# KiCad board v1.kicad_pcb
title: Matrix Board 0; date: 2024-10-04; rev: 0; company: Psycho Duck
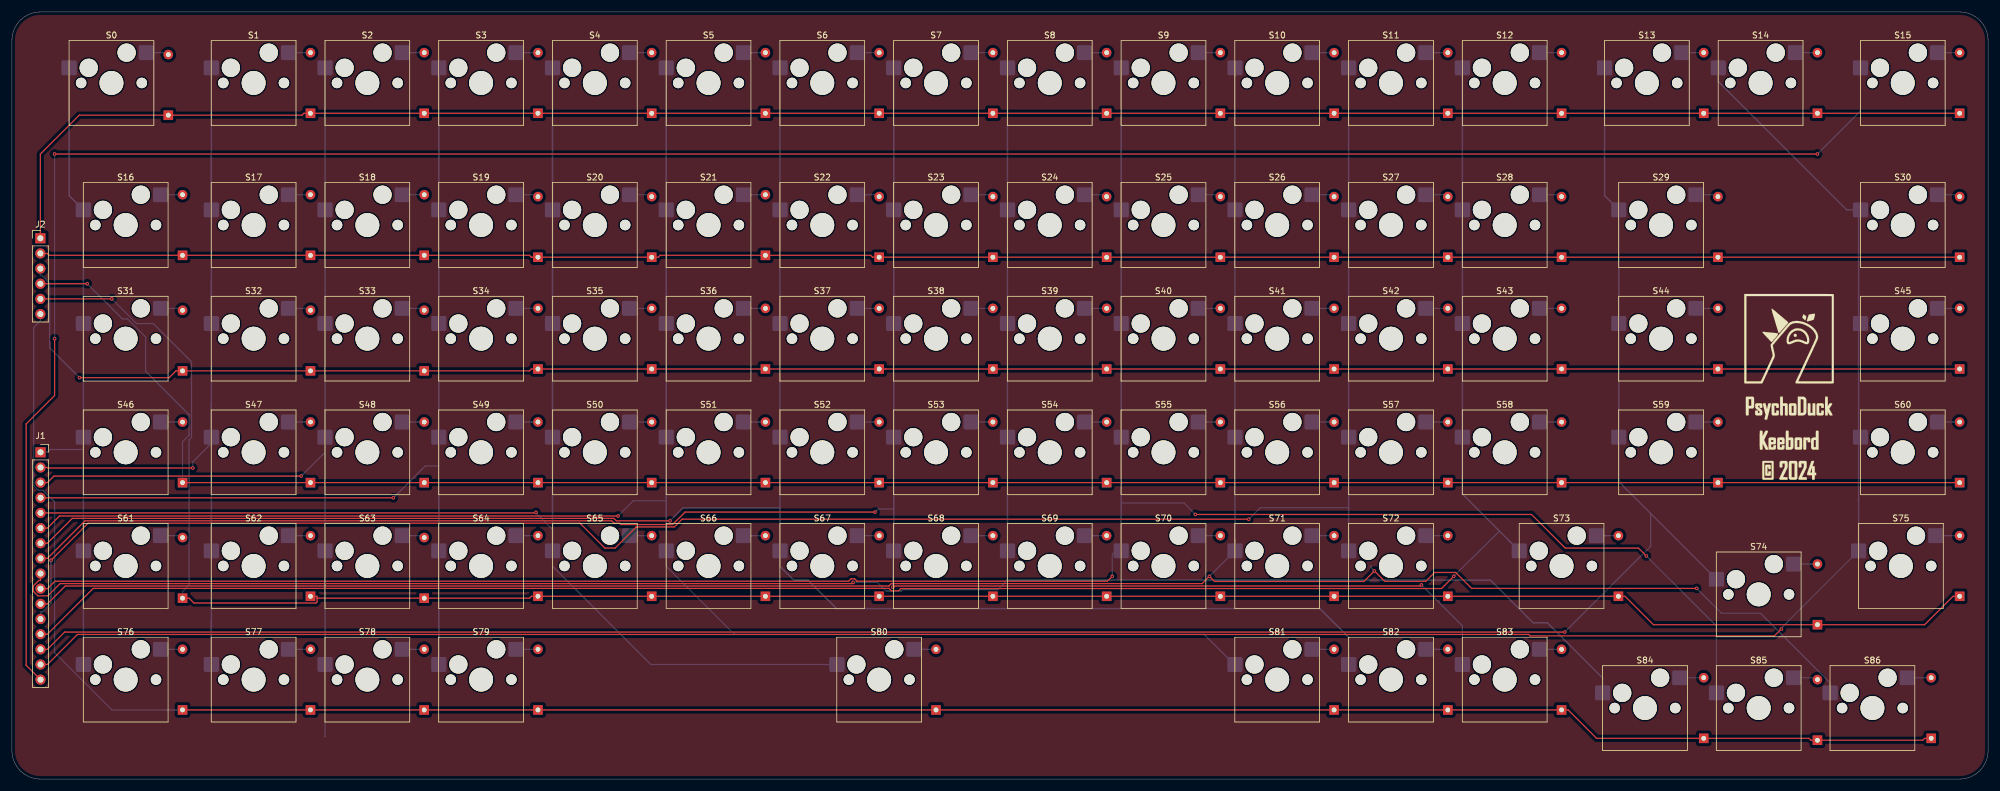
[diagram p0: board, top side]
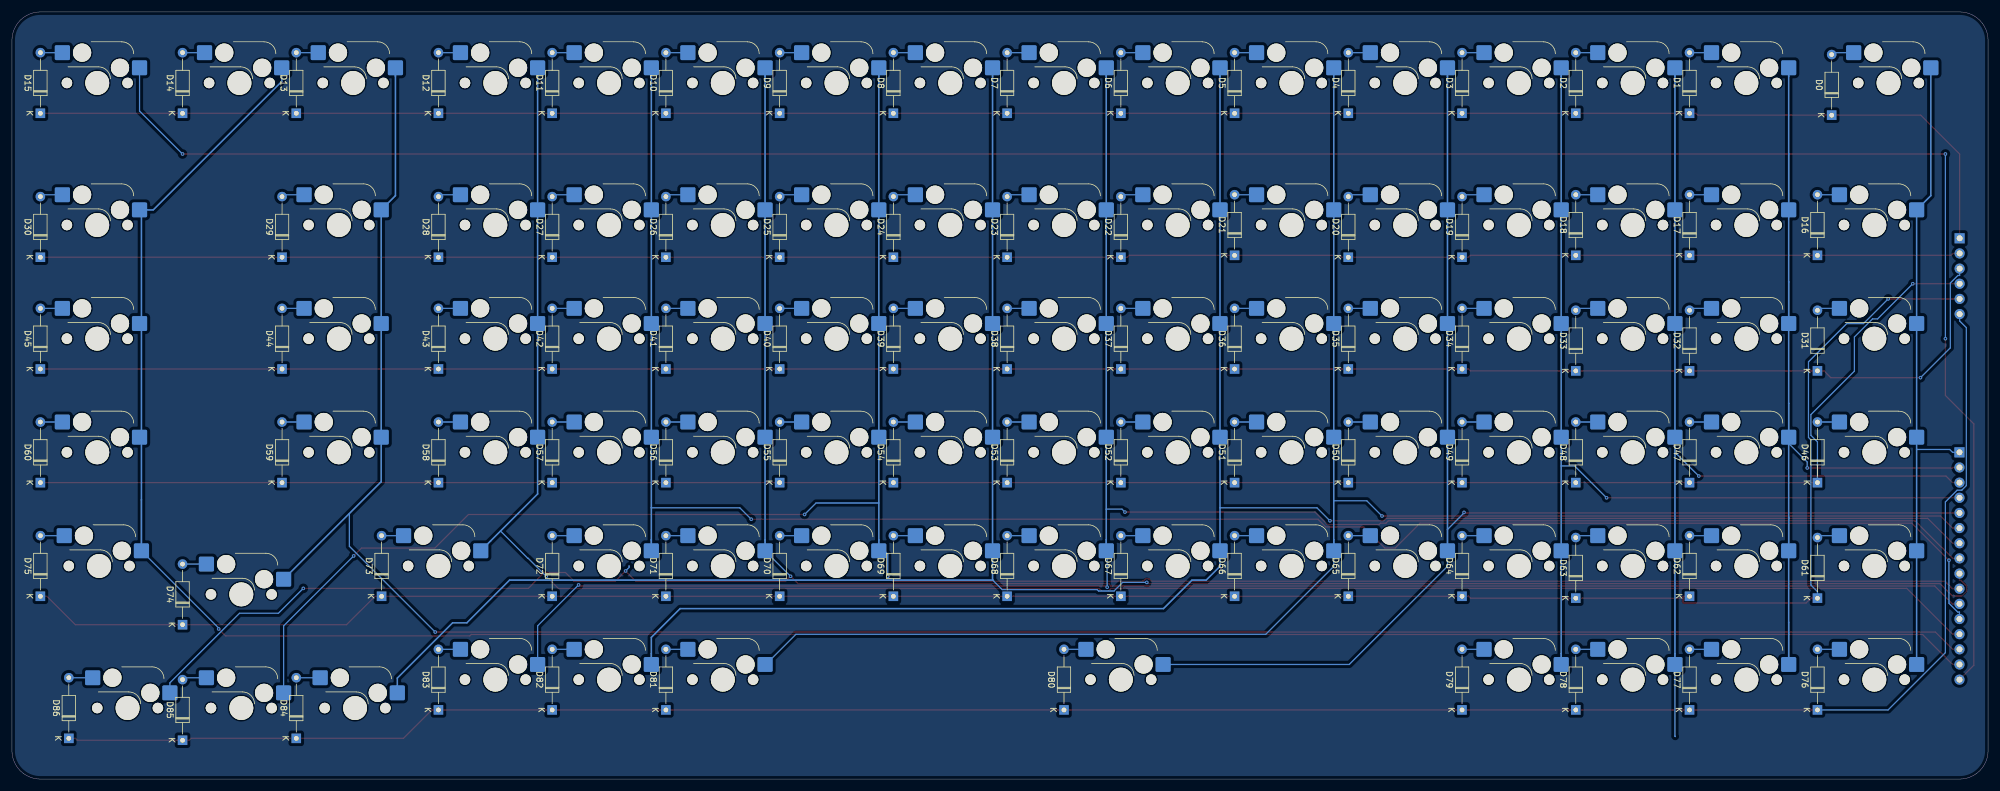
[diagram p1: board, bottom side, seen from below]

Outline 330.99 x 128.59 mm; copper layers: Top, Bottom. Coordinates in mm from the lower left corner of the outline.
Outline path: 0,123.83 0,4.76 arc(1.39,1.39) 4.76,0 326.23,0 arc(329.6,1.39) 330.99,4.76 330.99,123.83 arc(329.6,127.19) 326.23,128.59 4.76,128.59 arc(1.39,127.19) 0,123.83

## Placement (name value [footprint] x y rotation side)
D0  Diode  [D_DO-35_SOD27_P10.16mm_Horizontal]  26.19 111.28 90 bottom
D1  Diode  [D_DO-35_SOD27_P10.16mm_Horizontal]  50.01 111.6 90 bottom
D2  Diode  [D_DO-35_SOD27_P10.16mm_Horizontal]  69.06 111.6 90 bottom
D3  Diode  [D_DO-35_SOD27_P10.16mm_Horizontal]  88.11 111.6 90 bottom
D4  Diode  [D_DO-35_SOD27_P10.16mm_Horizontal]  107.16 111.6 90 bottom
D5  Diode  [D_DO-35_SOD27_P10.16mm_Horizontal]  126.21 111.6 90 bottom
D6  Diode  [D_DO-35_SOD27_P10.16mm_Horizontal]  145.26 111.6 90 bottom
D7  Diode  [D_DO-35_SOD27_P10.16mm_Horizontal]  164.31 111.6 90 bottom
D8  Diode  [D_DO-35_SOD27_P10.16mm_Horizontal]  183.36 111.6 90 bottom
D9  Diode  [D_DO-35_SOD27_P10.16mm_Horizontal]  202.41 111.6 90 bottom
D10  Diode  [D_DO-35_SOD27_P10.16mm_Horizontal]  221.46 111.6 90 bottom
D11  Diode  [D_DO-35_SOD27_P10.16mm_Horizontal]  240.51 111.6 90 bottom
D12  Diode  [D_DO-35_SOD27_P10.16mm_Horizontal]  259.56 111.6 90 bottom
D13  Diode  [D_DO-35_SOD27_P10.16mm_Horizontal]  283.37 111.6 90 bottom
D14  Diode  [D_DO-35_SOD27_P10.16mm_Horizontal]  302.42 111.6 90 bottom
D15  Diode  [D_DO-35_SOD27_P10.16mm_Horizontal]  326.23 111.6 90 bottom
D16  Diode  [D_DO-35_SOD27_P10.16mm_Horizontal]  28.58 87.79 90 bottom
D17  Diode  [D_DO-35_SOD27_P10.16mm_Horizontal]  50.01 87.79 90 bottom
D18  Diode  [D_DO-35_SOD27_P10.16mm_Horizontal]  69.06 87.79 90 bottom
D19  Diode  [D_DO-35_SOD27_P10.16mm_Horizontal]  88.11 87.47 90 bottom
D20  Diode  [D_DO-35_SOD27_P10.16mm_Horizontal]  107.16 87.47 90 bottom
D21  Diode  [D_DO-35_SOD27_P10.16mm_Horizontal]  126.21 87.79 90 bottom
D22  Diode  [D_DO-35_SOD27_P10.16mm_Horizontal]  145.26 87.47 90 bottom
D23  Diode  [D_DO-35_SOD27_P10.16mm_Horizontal]  164.31 87.47 90 bottom
D24  Diode  [D_DO-35_SOD27_P10.16mm_Horizontal]  183.36 87.47 90 bottom
D25  Diode  [D_DO-35_SOD27_P10.16mm_Horizontal]  202.41 87.47 90 bottom
D26  Diode  [D_DO-35_SOD27_P10.16mm_Horizontal]  221.46 87.47 90 bottom
D27  Diode  [D_DO-35_SOD27_P10.16mm_Horizontal]  240.51 87.47 90 bottom
D28  Diode  [D_DO-35_SOD27_P10.16mm_Horizontal]  259.56 87.47 90 bottom
D29  Diode  [D_DO-35_SOD27_P10.16mm_Horizontal]  285.75 87.47 90 bottom
D30  Diode  [D_DO-35_SOD27_P10.16mm_Horizontal]  326.23 87.47 90 bottom
D31  Diode  [D_DO-35_SOD27_P10.16mm_Horizontal]  28.58 68.42 90 bottom
D32  Diode  [D_DO-35_SOD27_P10.16mm_Horizontal]  50.01 68.42 90 bottom
D33  Diode  [D_DO-35_SOD27_P10.16mm_Horizontal]  69.06 68.42 90 bottom
D34  Diode  [D_DO-35_SOD27_P10.16mm_Horizontal]  88.11 68.74 90 bottom
D35  Diode  [D_DO-35_SOD27_P10.16mm_Horizontal]  107.16 68.74 90 bottom
D36  Diode  [D_DO-35_SOD27_P10.16mm_Horizontal]  126.21 68.74 90 bottom
D37  Diode  [D_DO-35_SOD27_P10.16mm_Horizontal]  145.26 68.74 90 bottom
D38  Diode  [D_DO-35_SOD27_P10.16mm_Horizontal]  164.31 68.74 90 bottom
D39  Diode  [D_DO-35_SOD27_P10.16mm_Horizontal]  183.36 68.74 90 bottom
D40  Diode  [D_DO-35_SOD27_P10.16mm_Horizontal]  202.41 68.74 90 bottom
D41  Diode  [D_DO-35_SOD27_P10.16mm_Horizontal]  221.46 68.74 90 bottom
D42  Diode  [D_DO-35_SOD27_P10.16mm_Horizontal]  240.51 68.74 90 bottom
D43  Diode  [D_DO-35_SOD27_P10.16mm_Horizontal]  259.56 68.74 90 bottom
D44  Diode  [D_DO-35_SOD27_P10.16mm_Horizontal]  285.75 68.74 90 bottom
D45  Diode  [D_DO-35_SOD27_P10.16mm_Horizontal]  326.23 68.74 90 bottom
D46  Diode  [D_DO-35_SOD27_P10.16mm_Horizontal]  28.58 49.69 90 bottom
D47  Diode  [D_DO-35_SOD27_P10.16mm_Horizontal]  50.01 49.69 90 bottom
D48  Diode  [D_DO-35_SOD27_P10.16mm_Horizontal]  69.06 49.69 90 bottom
D49  Diode  [D_DO-35_SOD27_P10.16mm_Horizontal]  88.11 49.69 90 bottom
D50  Diode  [D_DO-35_SOD27_P10.16mm_Horizontal]  107.16 49.69 90 bottom
D51  Diode  [D_DO-35_SOD27_P10.16mm_Horizontal]  126.21 49.69 90 bottom
D52  Diode  [D_DO-35_SOD27_P10.16mm_Horizontal]  145.26 49.69 90 bottom
D53  Diode  [D_DO-35_SOD27_P10.16mm_Horizontal]  164.31 49.69 90 bottom
D54  Diode  [D_DO-35_SOD27_P10.16mm_Horizontal]  183.36 49.69 90 bottom
D55  Diode  [D_DO-35_SOD27_P10.16mm_Horizontal]  202.41 49.69 90 bottom
D56  Diode  [D_DO-35_SOD27_P10.16mm_Horizontal]  221.46 49.69 90 bottom
D57  Diode  [D_DO-35_SOD27_P10.16mm_Horizontal]  240.51 49.69 90 bottom
D58  Diode  [D_DO-35_SOD27_P10.16mm_Horizontal]  259.56 49.69 90 bottom
D59  Diode  [D_DO-35_SOD27_P10.16mm_Horizontal]  285.75 49.69 90 bottom
D60  Diode  [D_DO-35_SOD27_P10.16mm_Horizontal]  326.23 49.69 90 bottom
D61  Diode  [D_DO-35_SOD27_P10.16mm_Horizontal]  28.58 30.32 90 bottom
D62  Diode  [D_DO-35_SOD27_P10.16mm_Horizontal]  50.01 30.64 90 bottom
D63  Diode  [D_DO-35_SOD27_P10.16mm_Horizontal]  69.06 30.32 90 bottom
D64  Diode  [D_DO-35_SOD27_P10.16mm_Horizontal]  88.11 30.64 90 bottom
D65  Diode  [D_DO-35_SOD27_P10.16mm_Horizontal]  107.16 30.64 90 bottom
D66  Diode  [D_DO-35_SOD27_P10.16mm_Horizontal]  126.21 30.64 90 bottom
D67  Diode  [D_DO-35_SOD27_P10.16mm_Horizontal]  145.26 30.64 90 bottom
D68  Diode  [D_DO-35_SOD27_P10.16mm_Horizontal]  164.31 30.64 90 bottom
D69  Diode  [D_DO-35_SOD27_P10.16mm_Horizontal]  183.36 30.64 90 bottom
D70  Diode  [D_DO-35_SOD27_P10.16mm_Horizontal]  202.41 30.64 90 bottom
D71  Diode  [D_DO-35_SOD27_P10.16mm_Horizontal]  221.46 30.64 90 bottom
D72  Diode  [D_DO-35_SOD27_P10.16mm_Horizontal]  240.51 30.64 90 bottom
D73  Diode  [D_DO-35_SOD27_P10.16mm_Horizontal]  269.08 30.64 90 bottom
D74  Diode  [D_DO-35_SOD27_P10.16mm_Horizontal]  302.42 25.88 90 bottom
D75  Diode  [D_DO-35_SOD27_P10.16mm_Horizontal]  326.23 30.64 90 bottom
D76  Diode  [D_DO-35_SOD27_P10.16mm_Horizontal]  28.58 11.59 90 bottom
D77  Diode  [D_DO-35_SOD27_P10.16mm_Horizontal]  50.01 11.59 90 bottom
D78  Diode  [D_DO-35_SOD27_P10.16mm_Horizontal]  69.06 11.59 90 bottom
D79  Diode  [D_DO-35_SOD27_P10.16mm_Horizontal]  88.11 11.59 90 bottom
D80  Diode  [D_DO-35_SOD27_P10.16mm_Horizontal]  154.78 11.59 90 bottom
D81  Diode  [D_DO-35_SOD27_P10.16mm_Horizontal]  221.46 11.59 90 bottom
D82  Diode  [D_DO-35_SOD27_P10.16mm_Horizontal]  240.51 11.59 90 bottom
D83  Diode  [D_DO-35_SOD27_P10.16mm_Horizontal]  259.56 11.59 90 bottom
D84  Diode  [D_DO-35_SOD27_P10.16mm_Horizontal]  283.37 6.83 90 bottom
D85  Diode  [D_DO-35_SOD27_P10.16mm_Horizontal]  302.42 6.51 90 bottom
D86  Diode  [D_DO-35_SOD27_P10.16mm_Horizontal]  321.47 6.83 90 bottom
J1  Conn_01x16  [PinSocket_1x16_P2.54mm_Vertical]  4.79 54.77 0 top
J2  Conn_01x06  [PinHeader_1x06_P2.54mm_Vertical]  4.76 90.65 0 top
Ref**  Val**  [LOGO]  297.66 73.82 0 top
Ref**#2  Val**  [TEXT]  297.66 57.15 0 top
S0  Keyswitch  [Hotswap_MX_1.00u]  16.67 116.68 0 top
S1  Keyswitch  [Hotswap_MX_1.00u]  40.48 116.68 0 top
S2  Keyswitch  [Hotswap_MX_1.00u]  59.53 116.68 0 top
S3  Keyswitch  [Hotswap_MX_1.00u]  78.58 116.68 0 top
S4  Keyswitch  [Hotswap_MX_1.00u]  97.63 116.68 0 top
S5  Keyswitch  [Hotswap_MX_1.00u]  116.68 116.68 0 top
S6  Keyswitch  [Hotswap_MX_1.00u]  135.73 116.68 0 top
S7  Keyswitch  [Hotswap_MX_1.00u]  154.78 116.68 0 top
S8  Keyswitch  [Hotswap_MX_1.00u]  173.83 116.68 0 top
S9  Keyswitch  [Hotswap_MX_1.00u]  192.88 116.68 0 top
S10  Keyswitch  [Hotswap_MX_1.00u]  211.93 116.68 0 top
S11  Keyswitch  [Hotswap_MX_1.00u]  230.98 116.68 0 top
S12  Keyswitch  [Hotswap_MX_1.00u]  250.03 116.68 0 top
S13  Keyswitch  [Hotswap_MX_1.00u]  273.84 116.68 0 top
S14  Keyswitch  [Hotswap_MX_1.00u]  292.89 116.68 0 top
S15  Keyswitch  [Hotswap_MX_1.00u]  316.71 116.68 0 top
S16  Keyswitch  [Hotswap_MX_1.00u]  19.05 92.87 0 top
S17  Keyswitch  [Hotswap_MX_1.00u]  40.48 92.87 0 top
S18  Keyswitch  [Hotswap_MX_1.00u]  59.53 92.87 0 top
S19  Keyswitch  [Hotswap_MX_1.00u]  78.58 92.87 0 top
S20  Keyswitch  [Hotswap_MX_1.00u]  97.63 92.87 0 top
S21  Keyswitch  [Hotswap_MX_1.00u]  116.68 92.87 0 top
S22  Keyswitch  [Hotswap_MX_1.00u]  135.73 92.87 0 top
S23  Keyswitch  [Hotswap_MX_1.00u]  154.78 92.87 0 top
S24  Keyswitch  [Hotswap_MX_1.00u]  173.83 92.87 0 top
S25  Keyswitch  [Hotswap_MX_1.00u]  192.88 92.87 0 top
S26  Keyswitch  [Hotswap_MX_1.00u]  211.93 92.87 0 top
S27  Keyswitch  [Hotswap_MX_1.00u]  230.98 92.87 0 top
S28  Keyswitch  [Hotswap_MX_1.00u]  250.03 92.87 0 top
S29  Keyswitch  [Hotswap_MX_1.00u]  276.23 92.87 0 top
S30  Keyswitch  [Hotswap_MX_1.00u]  316.71 92.87 0 top
S31  Keyswitch  [Hotswap_MX_1.00u]  19.05 73.82 0 top
S32  Keyswitch  [Hotswap_MX_1.00u]  40.48 73.82 0 top
S33  Keyswitch  [Hotswap_MX_1.00u]  59.53 73.82 0 top
S34  Keyswitch  [Hotswap_MX_1.00u]  78.58 73.82 0 top
S35  Keyswitch  [Hotswap_MX_1.00u]  97.63 73.82 0 top
S36  Keyswitch  [Hotswap_MX_1.00u]  116.68 73.82 0 top
S37  Keyswitch  [Hotswap_MX_1.00u]  135.73 73.82 0 top
S38  Keyswitch  [Hotswap_MX_1.00u]  154.78 73.82 0 top
S39  Keyswitch  [Hotswap_MX_1.00u]  173.83 73.82 0 top
S40  Keyswitch  [Hotswap_MX_1.00u]  192.88 73.82 0 top
S41  Keyswitch  [Hotswap_MX_1.00u]  211.93 73.82 0 top
S42  Keyswitch  [Hotswap_MX_1.00u]  230.98 73.82 0 top
S43  Keyswitch  [Hotswap_MX_1.00u]  250.03 73.82 0 top
S44  Keyswitch  [Hotswap_MX_1.00u]  276.23 73.82 0 top
S45  Keyswitch  [Hotswap_MX_1.00u]  316.71 73.82 0 top
S46  Keyswitch  [Hotswap_MX_1.00u]  19.05 54.77 0 top
S47  Keyswitch  [Hotswap_MX_1.00u]  40.48 54.77 0 top
S48  Keyswitch  [Hotswap_MX_1.00u]  59.53 54.77 0 top
S49  Keyswitch  [Hotswap_MX_1.00u]  78.58 54.77 0 top
S50  Keyswitch  [Hotswap_MX_1.00u]  97.63 54.77 0 top
S51  Keyswitch  [Hotswap_MX_1.00u]  116.68 54.77 0 top
S52  Keyswitch  [Hotswap_MX_1.00u]  135.73 54.77 0 top
S53  Keyswitch  [Hotswap_MX_1.00u]  154.78 54.77 0 top
S54  Keyswitch  [Hotswap_MX_1.00u]  173.83 54.77 0 top
S55  Keyswitch  [Hotswap_MX_1.00u]  192.88 54.77 0 top
S56  Keyswitch  [Hotswap_MX_1.00u]  211.93 54.77 0 top
S57  Keyswitch  [Hotswap_MX_1.00u]  230.98 54.77 0 top
S58  Keyswitch  [Hotswap_MX_1.00u]  250.03 54.77 0 top
S59  Keyswitch  [Hotswap_MX_1.00u]  276.23 54.77 0 top
S60  Keyswitch  [Hotswap_MX_1.00u]  316.71 54.77 0 top
S61  Keyswitch  [Hotswap_MX_1.00u]  19.05 35.72 0 top
S62  Keyswitch  [Hotswap_MX_1.00u]  40.48 35.72 0 top
S63  Keyswitch  [Hotswap_MX_1.00u]  59.53 35.72 0 top
S64  Keyswitch  [Hotswap_MX_1.00u]  78.58 35.72 0 top
S65  Keyswitch  [Hotswap_MX_1.00u]  97.63 35.72 0 top
S66  Keyswitch  [Hotswap_MX_1.00u]  116.68 35.72 0 top
S67  Keyswitch  [Hotswap_MX_1.00u]  135.73 35.72 0 top
S68  Keyswitch  [Hotswap_MX_1.00u]  154.78 35.72 0 top
S69  Keyswitch  [Hotswap_MX_1.00u]  173.83 35.72 0 top
S70  Keyswitch  [Hotswap_MX_1.00u]  192.88 35.72 0 top
S71  Keyswitch  [Hotswap_MX_1.00u]  211.93 35.72 0 top
S72  Keyswitch  [Hotswap_MX_1.00u]  230.98 35.72 0 top
S73  Keyswitch  [Hotswap_MX_1.00u]  259.56 35.72 0 top
S74  Keyswitch  [Hotswap_MX_1.00u]  292.58 30.96 0 top
S75  Keyswitch  [Hotswap_MX_1.00u]  316.39 35.72 0 top
S76  Keyswitch  [Hotswap_MX_1.00u]  19.05 16.67 0 top
S77  Keyswitch  [Hotswap_MX_1.00u]  40.48 16.67 0 top
S78  Keyswitch  [Hotswap_MX_1.00u]  59.53 16.67 0 top
S79  Keyswitch  [Hotswap_MX_1.00u]  78.58 16.67 0 top
S80  Keyswitch  [Hotswap_MX_1.00u]  145.26 16.67 0 top
S81  Keyswitch  [Hotswap_MX_1.00u]  211.93 16.67 0 top
S82  Keyswitch  [Hotswap_MX_1.00u]  230.98 16.67 0 top
S83  Keyswitch  [Hotswap_MX_1.00u]  250.03 16.67 0 top
S84  Keyswitch  [Hotswap_MX_1.00u]  273.53 11.91 0 top
S85  Keyswitch  [Hotswap_MX_1.00u]  292.58 11.91 0 top
S86  Keyswitch  [Hotswap_MX_1.00u]  311.63 11.91 0 top

## Library data of the parts
D0-D86 = -: Description: 1N4148 (DO-35) or 1N4148W (SOD-123); Sim.Device: D; Sim.Pins: 1=K 2=A; ki_fp_filters: D*DO?35*
J1 = -: Description: Generic connector, single row, 01x16, script generated (kicad-library-utils/schlib/autogen/connector/); ki_fp_filters: Connector*:*_1x??_*
J2 = -: Description: Generic connector, single row, 01x06, script generated (kicad-library-utils/schlib/autogen/connector/); ki_fp_filters: Connector*:*_1x??_*
S0-S86 = -: Description: Push button switch, normally open, two pins, 45° tilted

## Footprints (pads in the part's own frame, mm; a bottom-side part is the same pattern mirrored in y, then rotated)
D_DO-35_SOD27_P10.16mm_Horizontal
  rect 1.6x1.6 hole 0.8: 1(0,0)
  oval 1.6x1.6 hole 0.8: 2(10.16,0)
Hotswap_MX_1.00u
  round 1.75 hole 1.75 unplated: (-5.08,0) (5.08,0)
  round 3.05 hole 3.05 unplated: (-3.81,2.54) (2.54,5.08)
  round 4 hole 4 unplated: (0,0)
  rrect 2.55x2.5 smd far side: 1(-7.085,2.54) 2(5.842,5.08)
PinHeader_1x06_P2.54mm_Vertical
  rect 1.7x1.7 hole 1: 1(0,0)
  oval 1.7x1.7 hole 1: 2(0,-2.54) 3(0,-5.08) 4(0,-7.62) 5(0,-10.16) 6(0,-12.7)
PinSocket_1x16_P2.54mm_Vertical
  rect 1.7x1.7 hole 1: 1(0,0)
  oval 1.7x1.7 hole 1: 2(0,-2.54) 3(0,-5.08) 4(0,-7.62) 5(0,-10.16) 6(0,-12.7) 7(0,-15.24) 8(0,-17.78) 9(0,-20.32) 10(0,-22.86) 11(0,-25.4) 12(0,-27.94) 13(0,-30.48) 14(0,-33.02) 15(0,-35.56) 16(0,-38.1)

## Nets
/Col0: J1.1 S0.1 S16.1 S31.1 S46.1 S61.1 S76.1
/Col1: J1.2 S1.1 S17.1 S32.1 S47.1 S62.1 S77.1
/Col2: J1.3 S2.1 S18.1 S33.1 S48.1 S63.1 S78.1
/Col3: J1.4 S3.1 S19.1 S34.1 S49.1 S64.1 S79.1
/Col4: J1.5 S4.1 S20.1 S35.1 S50.1 S65.1 S80.1
/Col5: J1.6 S5.1 S21.1 S36.1 S51.1 S66.1 S81.1
/Col6: J1.7 S6.1 S22.1 S37.1 S52.1 S67.1 S82.1
/Col7: J1.8 S7.1 S23.1 S38.1 S53.1 S68.1 S83.1
/Col8: J1.9 S8.1 S24.1 S39.1 S54.1 S69.1 S84.1
/Col9: J1.10 S9.1 S25.1 S40.1 S55.1 S70.1 S85.1
/Col10: J1.11 S10.1 S26.1 S41.1 S56.1 S71.1 S86.1
/Col11: J1.12 S11.1 S27.1 S42.1 S57.1 S72.1
/Col12: J1.13 S12.1 S28.1 S43.1 S58.1 S73.1
/Col13: J1.14 S13.1 S29.1 S44.1 S59.1 S74.1
/Col14: J1.15 S14.1 S30.1 S45.1 S60.1 S75.1
/Col15: J1.16 S15.1
/Row0: D0.1 D1.1 D2.1 D3.1 D4.1 D5.1 D6.1 D7.1 D8.1 D9.1 D10.1 D11.1 D12.1 D13.1 D14.1 D15.1 J2.1
/Row1: D16.1 D17.1 D18.1 D19.1 D20.1 D21.1 D22.1 D23.1 D24.1 D25.1 D26.1 D27.1 D28.1 D29.1 D30.1 J2.2
/Row2: D31.1 D32.1 D33.1 D34.1 D35.1 D36.1 D37.1 D38.1 D39.1 D40.1 D41.1 D42.1 D43.1 D44.1 D45.1 J2.3
/Row3: D46.1 D47.1 D48.1 D49.1 D50.1 D51.1 D52.1 D53.1 D54.1 D55.1 D56.1 D57.1 D58.1 D59.1 D60.1 J2.4
/Row4: D61.1 D62.1 D63.1 D64.1 D65.1 D66.1 D67.1 D68.1 D69.1 D70.1 D71.1 D72.1 D73.1 D74.1 D75.1 J2.5
/Row5: D76.1 D77.1 D78.1 D79.1 D80.1 D81.1 D82.1 D83.1 D84.1 D85.1 D86.1 J2.6
Net-(D0-A): D0.2 S0.2
Net-(D1-A): D1.2 S1.2
Net-(D2-A): D2.2 S2.2
Net-(D3-A): D3.2 S3.2
Net-(D4-A): D4.2 S4.2
Net-(D5-A): D5.2 S5.2
Net-(D6-A): D6.2 S6.2
Net-(D7-A): D7.2 S7.2
Net-(D8-A): D8.2 S8.2
Net-(D9-A): D9.2 S9.2
Net-(D10-A): D10.2 S10.2
Net-(D11-A): D11.2 S11.2
Net-(D12-A): D12.2 S12.2
Net-(D13-A): D13.2 S13.2
Net-(D14-A): D14.2 S14.2
Net-(D15-A): D15.2 S15.2
Net-(D16-A): D16.2 S16.2
Net-(D17-A): D17.2 S17.2
Net-(D18-A): D18.2 S18.2
Net-(D19-A): D19.2 S19.2
Net-(D20-A): D20.2 S20.2
Net-(D21-A): D21.2 S21.2
Net-(D22-A): D22.2 S22.2
Net-(D23-A): D23.2 S23.2
Net-(D24-A): D24.2 S24.2
Net-(D25-A): D25.2 S25.2
Net-(D26-A): D26.2 S26.2
Net-(D27-A): D27.2 S27.2
Net-(D28-A): D28.2 S28.2
Net-(D29-A): D29.2 S29.2
Net-(D30-A): D30.2 S30.2
Net-(D31-A): D31.2 S31.2
Net-(D32-A): D32.2 S32.2
Net-(D33-A): D33.2 S33.2
Net-(D34-A): D34.2 S34.2
Net-(D35-A): D35.2 S35.2
Net-(D36-A): D36.2 S36.2
Net-(D37-A): D37.2 S37.2
Net-(D38-A): D38.2 S38.2
Net-(D39-A): D39.2 S39.2
Net-(D40-A): D40.2 S40.2
Net-(D41-A): D41.2 S41.2
Net-(D42-A): D42.2 S42.2
Net-(D43-A): D43.2 S43.2
Net-(D44-A): D44.2 S44.2
Net-(D45-A): D45.2 S45.2
Net-(D46-A): D46.2 S46.2
Net-(D47-A): D47.2 S47.2
Net-(D48-A): D48.2 S48.2
Net-(D49-A): D49.2 S49.2
Net-(D50-A): D50.2 S50.2
Net-(D51-A): D51.2 S51.2
Net-(D52-A): D52.2 S52.2
Net-(D53-A): D53.2 S53.2
Net-(D54-A): D54.2 S54.2
Net-(D55-A): D55.2 S55.2
Net-(D56-A): D56.2 S56.2
Net-(D57-A): D57.2 S57.2
Net-(D58-A): D58.2 S58.2
Net-(D59-A): D59.2 S59.2
Net-(D60-A): D60.2 S60.2
Net-(D61-A): D61.2 S61.2
Net-(D62-A): D62.2 S62.2
Net-(D63-A): D63.2 S63.2
Net-(D64-A): D64.2 S64.2
Net-(D65-A): D65.2 S65.2
Net-(D66-A): D66.2 S66.2
Net-(D67-A): D67.2 S67.2
Net-(D68-A): D68.2 S68.2
Net-(D69-A): D69.2 S69.2
Net-(D70-A): D70.2 S70.2
Net-(D71-A): D71.2 S71.2
Net-(D72-A): D72.2 S72.2
Net-(D73-A): D73.2 S73.2
Net-(D74-A): D74.2 S74.2
Net-(D75-A): D75.2 S75.2
Net-(D76-A): D76.2 S76.2
Net-(D77-A): D77.2 S77.2
Net-(D78-A): D78.2 S78.2
Net-(D79-A): D79.2 S79.2
Net-(D80-A): D80.2 S80.2
Net-(D81-A): D81.2 S81.2
Net-(D82-A): D82.2 S82.2
Net-(D83-A): D83.2 S83.2
Net-(D84-A): D84.2 S84.2
Net-(D85-A): D85.2 S85.2
Net-(D86-A): D86.2 S86.2

## Via types
v1: diameter 0.6, hole 0.3, Top to Bottom, 27 vias

## Routing (per net, layer and track width the routed paths; a pad name or vN(x,y) marks a point on that pad's centre or on a via; arc(x,y) is an arc through that point)
/Col0: length 108.4
  Bottom w0.2: 11.96,55.24 6.41,55.24 5.94,54.77 J1.1
  Bottom w0.25: S0.1 9.58,97.79 S16.1 S31.1 S46.1 S61.1 S76.1
/Col1: length 167.1
  Top w0.2: J1.2 5.94,52.23 6.02,52.15 v1(30.29,52.15)
  Bottom w0.2: 33.4,62.97 S47.1 ; S17.1 33.4,104.77 33.4,104.78 ; 33.4,56.26 30.29,53.15 v1(30.29,52.15) ; 33.4,83.34 S32.1 ; 33.4,117.81 S1.1 ; 33.4,43.88 S62.1 ; 33.4,26.28 S77.1
  Bottom w0.25: S1.1 S77.1
/Col2: length 166.6
  Top w0.2: v1(48.45,50.79) 7.04,50.79 5.94,49.69 J1.3
  Bottom w0.2: 52.45,95.86 S18.1 ; 52.45,57.76 S48.1 ; 52.45,7.2 S78.1 52.45,21.06 ; 52.45,76.65 S33.1 ; 52.45,54.5 52.15,54.5 v1(48.45,50.79) ; 52.45,117.81 S2.1 ; 52.45,38.71 S63.1
  Bottom w0.25: S2.1 S78.1 ; 52.39,7.14 52.45,7.2
/Col3: length 173.7
  Top w0.2: J1.4 v1(63.9,47.15)
  Bottom w0.2: 71.5,38.55 S64.1 ; 71.5,76.65 S34.1 ; v1(63.9,47.15) 69.24,52.49 71.5,52.49 ; 71.5,21.06 S79.1 ; 71.5,57.76 S49.1 ; 71.5,117.81 S3.1 ; 71.5,95.86 S19.1
  Bottom w0.25: S3.1 S79.1
/Col4: length 231.2
  Top w0.2: v1(87.77,44.7) 87.69,44.61 J1.5
  Bottom w0.2: 90.55,57.76 90.55,57.76 S50.1 ; S80.1 107,19.21 90.55,35.66 S65.1 90.55,41.84 87.77,44.61 v1(87.77,44.7) ; 90.55,117.81 90.55,117.82 S4.1 ; 90.55,95.7 90.55,95.7 S20.1 ; 90.55,76.81 90.55,76.81 S35.1
  Bottom w0.25: 90.55,38.26 90.55,119.22
/Col5: length 294.7
  Top w0.2: v1(101.51,44.09) 7.97,44.09 5.94,42.07 J1.6
  Bottom w0.2: 204.74,19.21 199.69,24.26 120.99,24.26 109.6,35.65 S66.1 109.6,40.11 109.6,40.11 ; v1(101.51,44.09) 104.07,46.65 109.6,46.65 ; 204.85,19.21 S81.1 ; S36.1 109.6,76.81 109.6,76.81 ; S21.1 109.6,95.41 ; S5.1 109.6,119.22 ; S51.1 109.6,57.31
  Bottom w0.25: 204.85,19.21 204.63,19.21 ; 109.6,119.22 109.6,38.26
/Col6: length 320.1
  Top w0.2: J1.7 5.94,39.53 10.1,43.69 100.82,43.69 101.22,43.29 v1(110.23,43.29)
  Bottom w0.2: 128.65,76.81 128.65,76.81 S37.1 ; 128.65,117.81 128.65,117.82 S6.1 ; 128.65,45.47 112.41,45.47 v1(110.23,43.29) ; S52.1 128.65,57.76 128.65,57.76 ; S22.1 128.65,95.86 128.65,95.86 ; 223.9,21.06 223.9,21.06 S82.1 ; S67.1 128.65,38.81 128.65,38.81
  Bottom w0.25: 223.9,19.21 223.9,23.75 219.07,28.57 138.11,28.57 133.35,33.34 130.97,33.34 128.65,35.66 128.65,119.22
/Col7: length 343.3
  Top w0.2: J1.8 5.94,36.99 12.24,43.29 100.45,43.29 100.86,42.89 101.76,42.89 101.99,42.66 110.65,42.66 112.74,44.75 v1(144.57,44.75) ; v1(236.08,32.54) 235.9,32.36 147.75,32.36 v1(147.55,32.16)
  Bottom w0.2: v1(147.55,32.16) 147.55,38.11 S68.1 147.7,40.11 147.7,40.11 ; S38.1 147.7,76.81 147.7,76.81 ; 147.7,57.76 147.7,57.76 S53.1 ; 147.7,45.24 145.06,45.24 v1(144.57,44.75) ; 147.7,117.81 147.7,117.82 S7.1 ; S23.1 147.7,95.7 147.7,95.7 ; S83.1 242.95,25.68 v1(236.08,32.54)
  Bottom w0.25: 147.7,119.22 147.7,38.26
/Col8: length 368.6
  Top w0.2: v1(140.91,32.97) 140.7,32.77 8.07,32.77 6,30.7 4.35,30.7 3.59,31.47 3.59,32.39 4.5,33.3 4.79,33.3 J1.9
  Bottom w0.2: S84.1 266.44,15.69 266.44,15.69 ; S54.1 166.75,57.76 166.75,57.76 ; 166.7,33.34 165.13,31.76 149.23,31.76 149,31.53 146.39,31.53 144.96,32.97 v1(140.91,32.97) ; S8.1 166.75,117.82 166.75,117.81 ; 166.75,95.7 166.75,95.7 S24.1 ; S69.1 166.75,38.71 166.75,38.71 ; S39.1 166.75,76.81 166.75,76.81
  Bottom w0.25: S84.1 266.44,16.93 257.18,26.19 254.79,26.19 247.65,33.34 166.69,33.34 166.75,33.4 166.75,119.22
/Col9: length 391.4
  Top w0.2: v1(273.76,37.4) 272.44,38.72 260.16,38.72 254.53,44.36 v1(198.23,44.36) ; v1(184.3,33.99) 183.48,33.17 141.56,33.17 141.15,33.57 140.54,33.57 140.14,33.17 7.2,33.17 5.94,31.91 J1.10
  Bottom w0.2: 185.8,57.76 185.8,57.76 S55.1 ; v1(198.23,44.36) 196.31,46.28 185.8,46.28 ; 185.8,117.81 185.8,117.82 S9.1 ; S25.1 185.8,95.7 185.8,95.7 ; 185.8,76.81 185.8,76.81 S40.1 ; 185.8,39.19 184.3,37.69 v1(184.3,33.99) ; S70.1 185.8,40.11 185.8,40.11 ; S85.1 285.49,25.67 v1(273.76,37.4)
  Bottom w0.25: 185.8,119.22 185.8,38.26
/Col10: length 406
  Top w0.2: v1(282.19,31.96) 244.49,31.96 241.82,34.63 238.28,34.63 236.8,33.15 229.95,33.15 v1(228.21,34.88) 226.45,33.12 201.44,33.12 v1(200.57,33.99) 199.35,32.77 147.3,32.77 146.9,32.36 8.93,32.36 5.94,29.37 J1.11
  Bottom w0.2: v1(228.21,34.88) 227.62,35.47 227.62,35.67 ; S86.1 304.54,16.13 292.88,27.79 286.37,27.79 v1(282.19,31.96) ; v1(200.57,33.99) S71.1 204.85,40.11 204.85,40.11 ; S10.1 204.85,117.82 204.85,117.81 ; S26.1 204.85,95.7 204.85,95.7 ; S41.1 204.85,76.81 204.85,76.81 ; S56.1 204.85,57.76 204.85,57.76
  Bottom w0.25: 204.85,38.26 204.85,119.22 ; 227.62,35.72 227.62,35.67
/Col11: length 319.4
  Top w0.2: v1(207.16,43.55) 112.23,43.55 110.94,42.26 104.57,42.26 101.03,38.72 99.31,38.72 95.14,42.89 12.75,42.89 v1(6.54,36.68)
  Bottom w0.2: v1(207.16,43.55) 209.08,45.47 223.9,45.47 ; J1.12 4.79,27.98 5.06,27.98 6.54,29.47 v1(6.54,36.68) ; S57.1 223.9,57.31 ; 223.9,40.11 223.9,40.11 S72.1 ; 223.9,117.81 223.9,117.82 S11.1 ; S27.1 223.9,95.41 ; S42.1 223.9,76.36
  Bottom w0.25: 223.9,38.26 223.9,119.22
/Col12: length 341.7
  Top w0.2: J1.13 5.94,24.29 13.61,31.96 146.9,31.96 147.3,31.56 148.5,31.56 148.88,31.94 239.46,31.94 v1(241.5,33.99)
  Bottom w0.2: 242.95,57.76 242.95,57.76 S58.1 ; 242.95,76.81 242.95,76.81 S43.1 ; 250.81,39.92 S73.1 ; 249.16,41.57 244.58,37 244.52,37 v1(241.5,33.99) ; 242.95,95.7 242.95,95.7 S28.1 ; 242.95,117.81 242.95,117.82 S12.1
  Bottom w0.25: 242.95,119.22 242.95,47.78 249.16,41.57 250.81,39.92 S73.1
/Col13: length 377.2
  Top w0.2: J1.14 5.94,21.75 8.83,24.64 v1(260.1,24.64)
  Bottom w0.2: 266.76,117.82 S13.1 ; 274.47,44.51 274.47,39.02 v1(260.1,24.64)
  Bottom w0.25: S74.1 269.14,49.85 S59.1 S44.1 S29.1 266.76,97.79 S13.1
/Col14: length 415.3
  Top w0.2: v1(296.37,25.16) 295.21,24 254.3,24 254.06,24.24 10.97,24.24 5.94,19.21 J1.15
  Bottom w0.2: S60.1 309.3,57.31 ; S45.1 309.3,76.36 ; 309.3,46.81 S75.1 296.37,25.32 v1(296.37,25.16) ; 285.81,118.07 S14.1
  Bottom w0.25: S14.1 285.81,116.92 307.32,95.41 S30.1 309.3,95.09 S75.1
/Col15: length 403.8
  Top w0.2: v1(302.42,104.78) v1(7.14,104.78) ; J1.16 2.38,19.07 2.38,59.53 7.14,64.29 v1(7.14,73.82)
  Bottom w0.2: v1(7.14,104.78) v1(7.14,73.82) ; v1(302.42,104.78) 309.62,111.98 S15.1
/Row0: length 338.4
  Top w0.2: D15.1 D14.1 D13.1 D12.1 D11.1 D10.1 D9.1 D8.1 D7.1 D6.1 D5.1 D4.1 D3.1 D2.1 D1.1 48.9,111.6 48.59,111.28 D0.1 11.27,111.28 4.76,104.78 J2.1
/Row1: length 322
  Top w0.2: J2.2 5.91,88.11 6.23,87.79 D16.1 D17.1 D18.1 86.69,87.79 87,87.47 D19.1 D20.1 108.26,87.47 108.58,87.79 D21.1 143.84,87.79 144.15,87.47 D22.1 D23.1 D24.1 D25.1 D26.1 D27.1 D28.1 D29.1 D30.1
/Row2: length 336.7
  Top w0.2: D45.1 D44.1 D43.1 D42.1 D41.1 D40.1 D39.1 D38.1 D37.1 D36.1 D35.1 D34.1 87,68.74 86.69,68.42 D33.1 D32.1 D31.1 27.47,68.42 26.34,67.28 v1(11.32,67.28)
  Bottom w0.2: J2.3 4.76,84.41 5.05,84.41 6.32,83.15 6.32,72.29 v1(11.32,67.28)
/Row3: length 346.9
  Top w0.2: J2.4 v1(12.61,83.03) ; D46.1 D47.1 D48.1 D49.1 D50.1 D51.1 D52.1 D53.1 D54.1 D55.1 D56.1 D57.1 D58.1 D59.1 D60.1
  Bottom w0.2: v1(12.61,83.03) 18.49,77.14 19.34,77.14 22.39,74.1 22.39,68.37 29.68,61.08 29.68,57.63 28.58,56.52 D46.1
/Row4: length 374.1
  Top w0.2: D62.1 51.11,30.64 51.11,30.33 51.12,30.32 ; D75.1 325.13,30.64 320.37,25.88 D74.1 274.95,25.88 270.18,30.64 D73.1 D72.1 D71.1 D70.1 D69.1 D68.1 D67.1 D66.1 D65.1 D64.1 87,30.64 86.69,30.32 D63.1 51.12,30.32 ; D61.1 29.68,30.32 30.49,29.51 50.92,29.51 51.12,29.71 51.12,30.32 ; J2.5 v1(16.73,80.49)
  Bottom w0.2: v1(16.73,80.49) 20.87,76.35 23.67,76.35 30.08,69.94 30.08,57.26 29.68,56.86 29.68,32.52 28.58,31.42 D61.1
/Row5: length 379.7
  Top w0.2: D86.1 320.37,6.83 320.05,6.51 D85.1 301.32,6.51 301,6.83 D84.1 265.42,6.83 260.66,11.59 D83.1 D82.1 D81.1 D80.1 D79.1 D78.1 D77.1 D76.1
  Bottom w0.2: J2.6 4.76,76.79 3.64,75.67 3.64,49.19 4.41,48.42 5.18,48.42 7.15,46.45 7.15,21.19 16.74,11.59 D76.1
Net-(D0-A): length 3.8
  Bottom w0.2: D0.2 25.88,121.76 S0.2
Net-(D1-A): length 3.7
  Bottom w0.2: S1.2 D1.2
Net-(D2-A): length 3.7
  Bottom w0.2: S2.2 D2.2
Net-(D3-A): length 3.7
  Bottom w0.2: S3.2 D3.2
Net-(D4-A): length 3.7
  Bottom w0.2: S4.2 D4.2
Net-(D5-A): length 3.7
  Bottom w0.2: D5.2 S5.2
Net-(D6-A): length 3.7
  Bottom w0.2: D6.2 S6.2
Net-(D7-A): length 3.7
  Bottom w0.2: S7.2 D7.2
Net-(D8-A): length 3.7
  Bottom w0.2: D8.2 S8.2
Net-(D9-A): length 3.7
  Bottom w0.2: D9.2 S9.2
Net-(D10-A): length 3.7
  Bottom w0.2: S10.2 D10.2
Net-(D11-A): length 3.7
  Bottom w0.2: S11.2 D11.2
Net-(D12-A): length 3.7
  Bottom w0.2: D12.2 S12.2
Net-(D13-A): length 3.7
  Bottom w0.2: S13.2 D13.2
Net-(D14-A): length 3.7
  Bottom w0.2: S14.2 D14.2
Net-(D15-A): length 3.7
  Bottom w0.2: 322.55,121.76 S15.2 D15.2
Net-(D16-A): length 3.7
  Bottom w0.2: S16.2 D16.2
Net-(D17-A): length 3.7
  Bottom w0.2: S17.2 D17.2
Net-(D18-A): length 3.7
  Bottom w0.2: S18.2 D18.2
Net-(D19-A): length 3.8
  Bottom w0.2: S19.2 87.79,97.95 D19.2
Net-(D20-A): length 3.8
  Bottom w0.2: S20.2 106.84,97.95 107.16,97.63 D20.2
Net-(D21-A): length 3.7
  Bottom w0.2: D21.2 S21.2
Net-(D22-A): length 3.8
  Bottom w0.2: S22.2 144.94,97.95 145.26,97.63 D22.2
Net-(D23-A): length 3.8
  Bottom w0.2: D23.2 164.31,97.63 163.99,97.95 S23.2
Net-(D24-A): length 3.8
  Bottom w0.2: S24.2 183.04,97.95 183.36,97.63 D24.2
Net-(D25-A): length 3.8
  Bottom w0.2: D25.2 202.41,97.63 202.09,97.95 S25.2
Net-(D26-A): length 3.8
  Bottom w0.2: D26.2 221.46,97.63 221.14,97.95 S26.2
Net-(D27-A): length 3.8
  Bottom w0.2: D27.2 240.51,97.63 240.19,97.95 S27.2
Net-(D28-A): length 3.8
  Bottom w0.2: D28.2 259.56,97.63 259.24,97.95 S28.2
Net-(D29-A): length 3.8
  Bottom w0.2: S29.2 285.43,97.95 D29.2
Net-(D30-A): length 3.8
  Bottom w0.2: 322.55,97.95 S30.2 325.91,97.95 D30.2
Net-(D31-A): length 3.8
  Bottom w0.2: S31.2 28.26,78.9 D31.2
Net-(D32-A): length 3.8
  Bottom w0.2: S32.2 49.69,78.9 D32.2
Net-(D33-A): length 3.8
  Bottom w0.2: S33.2 68.74,78.9 D33.2
Net-(D34-A): length 3.7
  Bottom w0.2: S34.2 D34.2
Net-(D35-A): length 3.7
  Bottom w0.2: D35.2 S35.2
Net-(D36-A): length 3.7
  Bottom w0.2: D36.2 S36.2
Net-(D37-A): length 3.7
  Bottom w0.2: S37.2 D37.2
Net-(D38-A): length 3.7
  Bottom w0.2: D38.2 S38.2
Net-(D39-A): length 3.7
  Bottom w0.2: D39.2 S39.2
Net-(D40-A): length 3.7
  Bottom w0.2: D40.2 S40.2
Net-(D41-A): length 3.7
  Bottom w0.2: S41.2 D41.2
Net-(D42-A): length 3.7
  Bottom w0.2: S42.2 D42.2
Net-(D43-A): length 3.7
  Bottom w0.2: D43.2 S43.2
Net-(D44-A): length 3.7
  Bottom w0.2: S44.2 D44.2
Net-(D45-A): length 3.7
  Bottom w0.2: D45.2 S45.2 322.55,78.9
Net-(D46-A): length 3.7
  Bottom w0.2: S46.2 D46.2
Net-(D47-A): length 3.7
  Bottom w0.2: S47.2 D47.2
Net-(D48-A): length 3.7
  Bottom w0.2: S48.2 D48.2
Net-(D49-A): length 3.7
  Bottom w0.2: S49.2 D49.2
Net-(D50-A): length 3.7
  Bottom w0.2: D50.2 S50.2
Net-(D51-A): length 3.7
  Bottom w0.2: S51.2 D51.2
Net-(D52-A): length 3.7
  Bottom w0.2: S52.2 D52.2
Net-(D53-A): length 3.7
  Bottom w0.2: D53.2 S53.2
Net-(D54-A): length 3.7
  Bottom w0.2: D54.2 S54.2
Net-(D55-A): length 3.7
  Bottom w0.2: D55.2 S55.2
Net-(D56-A): length 3.7
  Bottom w0.2: D56.2 S56.2
Net-(D57-A): length 3.7
  Bottom w0.2: D57.2 S57.2
Net-(D58-A): length 3.7
  Bottom w0.2: S58.2 D58.2
Net-(D59-A): length 3.7
  Bottom w0.2: S59.2 D59.2
Net-(D60-A): length 3.7
  Bottom w0.2: 322.55,59.85 S60.2 D60.2
Net-(D61-A): length 3.8
  Bottom w0.2: 28.58,40.48 D61.2 28.26,40.8 S61.2
Net-(D62-A): length 3.7
  Bottom w0.2: S62.2 D62.2
Net-(D63-A): length 4
  Bottom w0.2: 68.9,40.64 D63.2 ; 68.9,40.64 68.74,40.8 S63.2 ; 68.9,40.64 69.06,40.48
Net-(D64-A): length 3.7
  Bottom w0.2: S64.2 D64.2
Net-(D65-A): length 3.7
  Bottom w0.2: D65.2 S65.2
Net-(D66-A): length 3.7
  Bottom w0.2: D66.2 S66.2
Net-(D67-A): length 3.7
  Bottom w0.2: S67.2 D67.2
Net-(D68-A): length 3.7
  Bottom w0.2: S68.2 D68.2
Net-(D69-A): length 3.7
  Bottom w0.2: D69.2 S69.2
Net-(D70-A): length 3.7
  Bottom w0.2: S70.2 D70.2
Net-(D71-A): length 3.7
  Bottom w0.2: D71.2 S71.2
Net-(D72-A): length 3.7
  Bottom w0.2: D72.2 S72.2
Net-(D73-A): length 3.7
  Bottom w0.2: D73.2 S73.2 265.4,40.8
Net-(D74-A): length 4
  Bottom w0.2: D74.2 S74.2 298.42,36.04
Net-(D75-A): length 4
  Bottom w0.2: S75.2 D75.2
Net-(D76-A): length 3.7
  Bottom w0.2: S76.2 D76.2
Net-(D77-A): length 3.7
  Bottom w0.2: S77.2 D77.2
Net-(D78-A): length 3.7
  Bottom w0.2: S78.2 D78.2
Net-(D79-A): length 3.7
  Bottom w0.2: S79.2 D79.2
Net-(D80-A): length 3.7
  Bottom w0.2: D80.2 S80.2 151.1,21.75
Net-(D81-A): length 3.7
  Bottom w0.2: D81.2 S81.2
Net-(D82-A): length 3.7
  Bottom w0.2: D82.2 S82.2
Net-(D83-A): length 3.7
  Bottom w0.2: D83.2 S83.2
Net-(D84-A): length 4
  Bottom w0.2: D84.2 S84.2 279.37,16.99
Net-(D85-A): length 4.1
  Bottom w0.2: 298.42,16.99 S85.2 302.1,16.99 D85.2
Net-(D86-A): length 4
  Bottom w0.2: 317.47,16.99 S86.2 D86.2

## Copper pours and planes (outline as drawn; the poured copper is in the pictures)
(no net) on Top, Bottom: 330.99,128.59 330.99,0 0,0 0,128.59
